# KiCad board AmigaPCI Mainboard.kicad_pcb (continued)
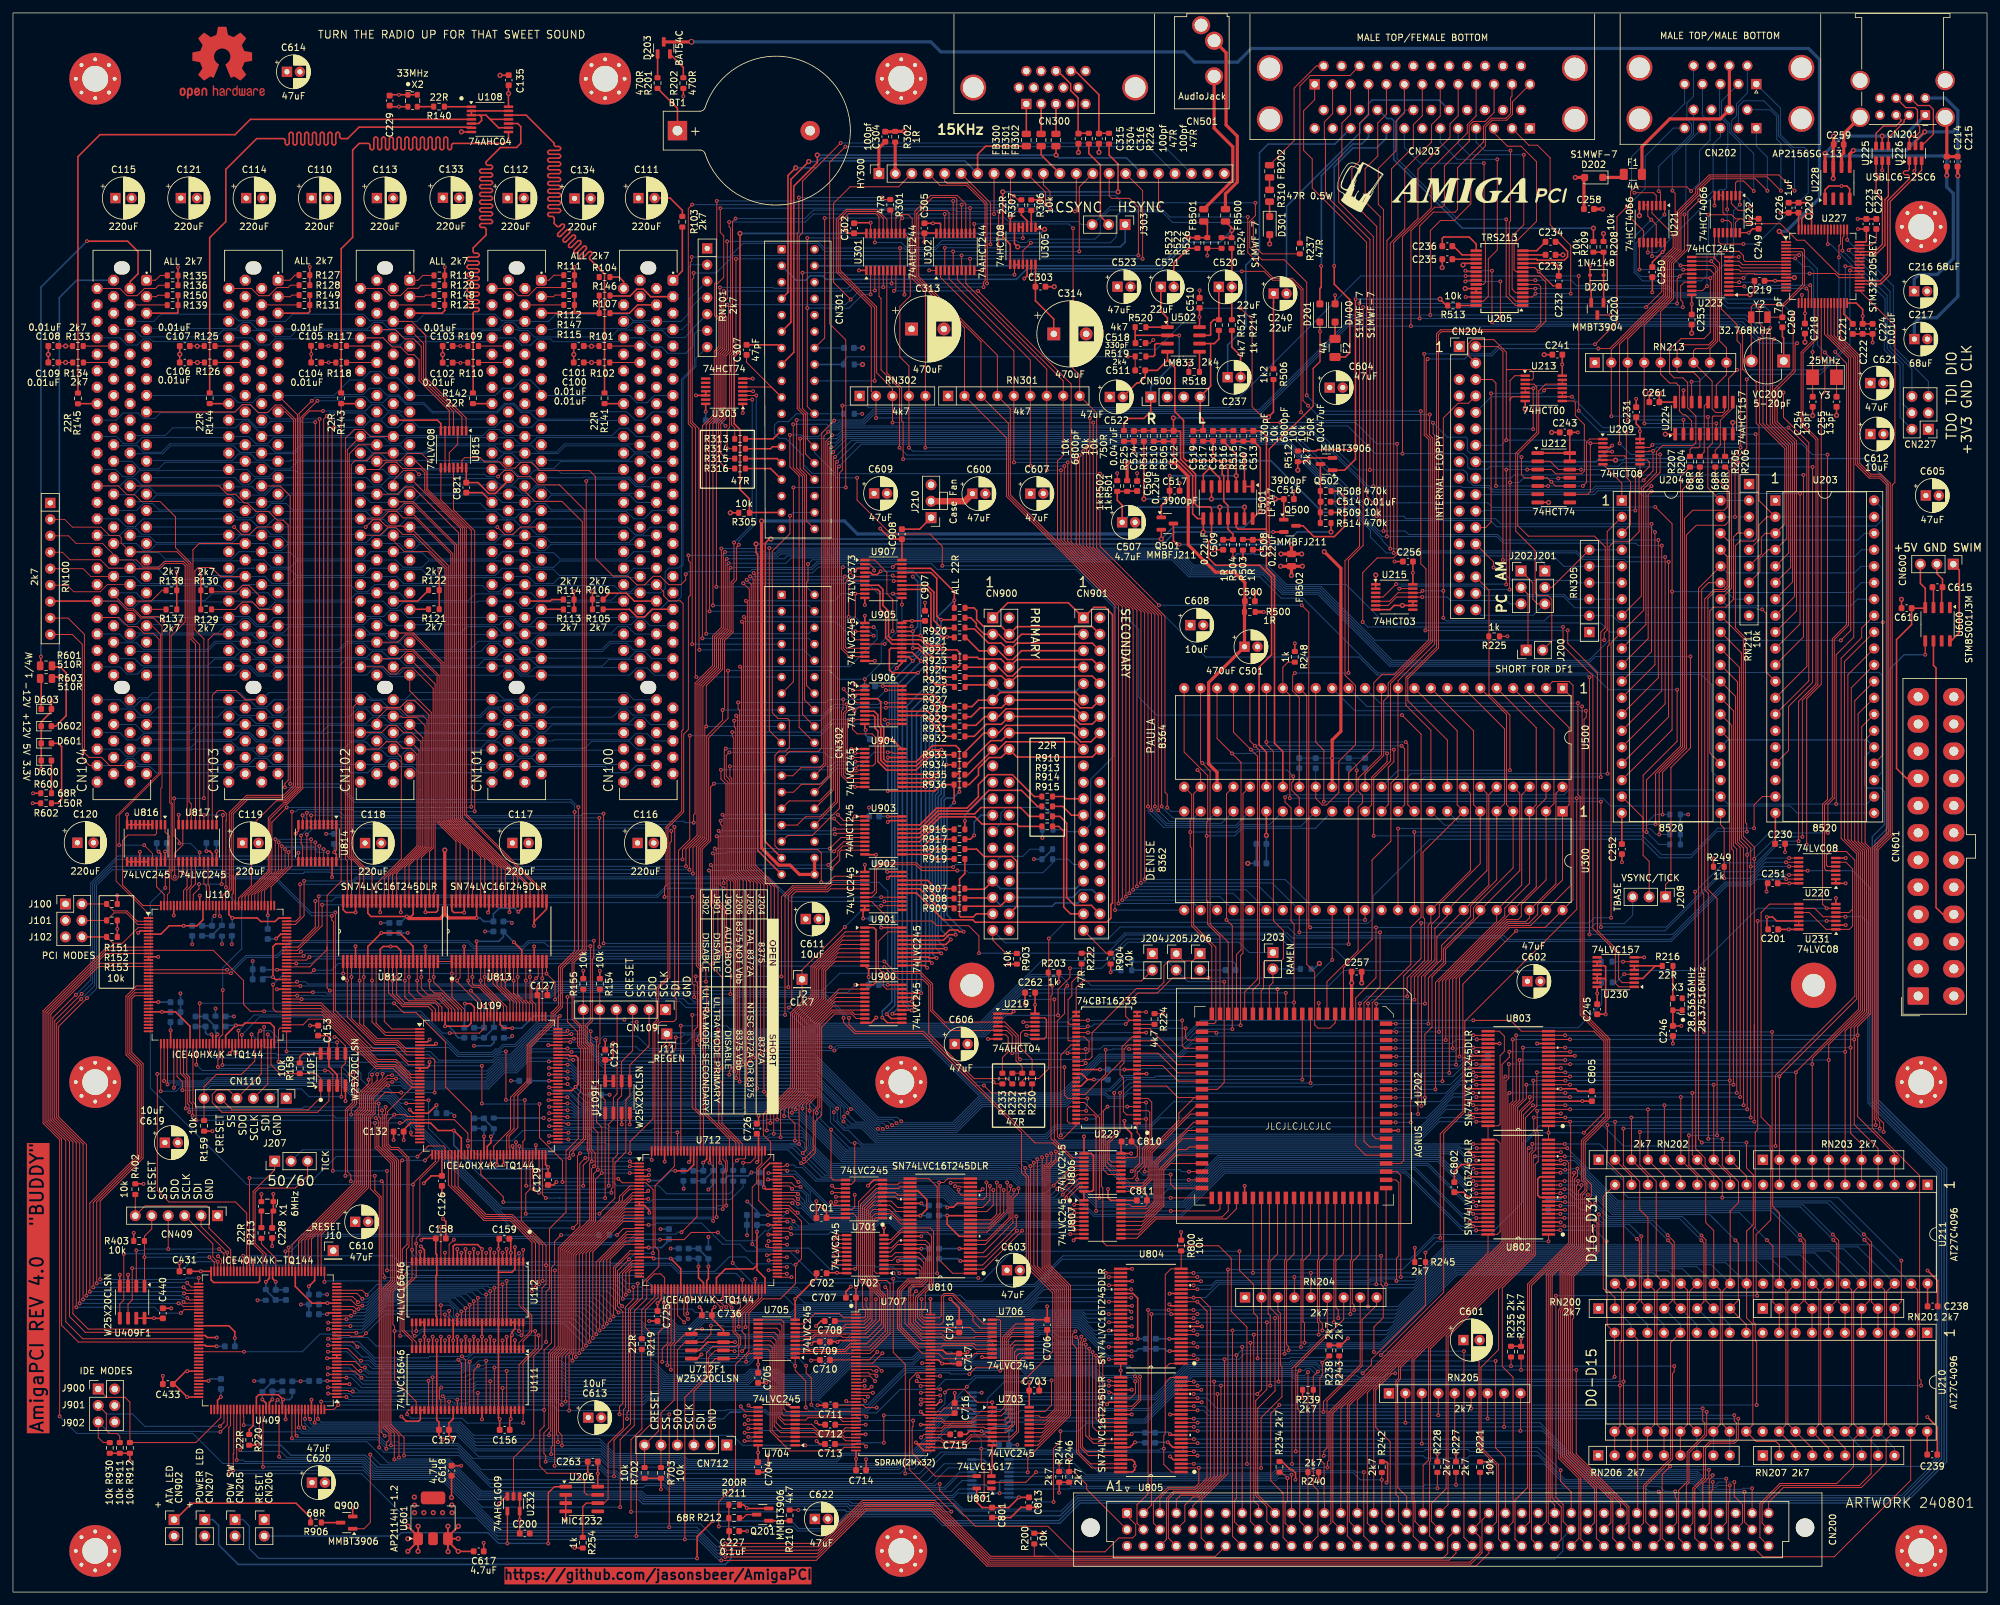
[diagram p0: board, top side]
## Routing (per net, layer and track width the routed paths; a pad name or vN(x,y) marks a point on that pad's centre or on a via; arc(x,y) is an arc through that point) (continued)
  Bottom w0.15: v1(225.94,64.73) 224.6,64.73 221.65,67.69 180.31,67.69 178.27,65.65 171.57,65.65 170.92,66.3 v1(157.62,66.3) 157.16,66.76 128.09,66.76 121.37,73.49 v1(119.08,73.49) 118.41,74.16 113.35,74.16 112.68,73.49 95.38,73.49 95.1,73.21 86.69,73.21 86.56,73.34 v1(85.63,73.34)
LVD11: length 229.5
  Top w0.15: U703.15 159.13,25.26 161.78,27.92 161.78,46.71 158.16,50.33 v1(158.16,66.84) ; 227.75,65.37 225.49,65.37 ; v1(120.28,74.01) 120.28,74.84 122.47,77.03 122.47,88.45 125.49,91.46 125.49,95.94 126.95,97.4 U901.9 ; U109.82 v1(82.79,73.94)
  Bottom w0.15: v1(82.79,73.94) 84.96,73.94 85.03,73.87 86.46,73.87 86.82,73.51 94.98,73.51 95.48,74.01 112.78,74.01 113.23,74.46 119.19,74.46 119.64,74.01 v1(120.28,74.01) 121.27,74.01 128.21,67.06 157.94,67.06 v1(158.16,66.84) 158.4,66.6 171.05,66.6 171.69,65.95 178.15,65.95 180.18,67.99 221.77,67.99 224.39,65.37 v1(225.49,65.37)
LVD12: length 222.1
  Top w0.15: v1(120.84,74.53) 120.84,74.97 122.77,76.9 122.77,88.32 127.56,93.11 U900.2 ; v1(85.63,74.39) 85.58,74.44 U109.83 ; v1(158.91,67.13) 158.91,50.01 162.08,46.84 162.08,27.79 158.9,24.62 156.91,24.62 ; 227.75,66.64 225.94,66.64
  Bottom w0.15: 158.67,67.37 159.13,66.9 171.17,66.9 171.82,66.25 178.02,66.25 180.06,68.29 222.98,68.29 224.63,66.64 v1(225.94,66.64) ; 158.67,67.37 128.34,67.37 121.17,74.53 v1(120.84,74.53) 120.62,74.76 112.81,74.76 112.59,74.53 95.58,74.53 94.85,73.81 86.94,73.81 86.36,74.39 v1(85.63,74.39) ; 158.67,67.37 v1(158.91,67.13)
LVD13: length 224.2
  Top w0.15: U900.4 127.11,91.81 123.37,88.07 123.37,76.65 121.91,75.19 v1(121.91,74.68) ; U703.13 158.68,23.96 162.38,27.67 162.38,46.96 159.21,50.13 159.21,65.86 159.63,66.28 v1(159.63,67.43) ; U109.84 v1(82.79,74.94) ; 227.75,67.27 225.48,67.27
  Bottom w0.15: v1(225.48,67.28) 224.41,67.28 223.11,68.59 179.93,68.59 177.9,66.56 171.94,66.56 171.29,67.2 159.85,67.2 v1(159.63,67.43) 159.39,67.66 128.46,67.66 121.91,74.22 v1(121.91,74.68) 121.53,75.06 95.68,75.06 94.73,74.11 87.07,74.11 86.26,74.91 82.81,74.91 v1(82.79,74.94)
LVD14: length 221.3
  Top w0.15: U703.12 158.45,23.31 162.68,27.54 162.68,47.09 159.51,50.26 159.51,65.74 160.31,66.54 v1(160.31,67.74) ; U900.6 126.66,90.51 123.97,87.82 123.97,76.41 123.01,75.44 v1(123.01,74.32) ; 227.75,68.55 226.01,68.55 ; U109.85 v1(85.62,75.44)
  Bottom w0.15: v1(85.62,75.44) 86.16,75.44 87.19,74.41 94.6,74.41 95.55,75.36 121.97,75.36 v1(123.01,74.32) 123.01,73.54 128.58,67.96 160.09,67.96 v1(160.31,67.74) 160.55,67.5 171.42,67.5 172.07,66.85 177.78,66.85 179.81,68.89 223.23,68.89 223.58,68.54 v1(226.01,68.54)
LVD15: length 221.9
  Top w0.15: U109.87 85.59,76.44 v1(85.61,76.41) ; v1(161.02,68.03) 161.02,66.83 159.81,65.61 159.81,50.38 162.98,47.21 162.98,27.42 158.22,22.66 U703.11 ; 227.75,69.18 225.46,69.18 ; v1(124.09,73.98) 124.09,74.42 124.57,74.9 124.57,87.58 126.56,89.56 129.62,89.56 129.97,89.21 U900.8
  Bottom w0.15: v1(85.61,76.41) 87.31,74.71 94.48,74.71 95.43,75.66 122.41,75.66 v1(124.09,73.98) 124.09,72.88 128.71,68.26 160.79,68.26 v1(161.02,68.03) 171.32,68.03 172.19,67.15 177.65,67.15 179.69,69.19 225.45,69.19 v1(225.46,69.18)
LVD16: length 286.4
  Top w0.15: v1(128.15,158.27) 127.91,158.03 127.91,145.63 129.1,144.44 U905.9 ; v1(117.06,76.19) 117.06,82.78 118.13,83.85 118.13,108.75 114.59,112.29 114.59,157.14 v1(114.37,157.37) ; v1(135.85,158.27) 136.3,158.72 U907.19 ; U803.47 225.93,72.63 v1(225.93,72.63) ; U701.11 126.68,63.62 126.3,64 v1(126.3,71.41) ; U109.88 v1(82.78,76.94)
  Bottom w0.15: v1(114.37,157.37) 123.43,157.37 124.34,158.27 v1(128.15,158.27) v1(135.85,158.27) ; v1(82.78,76.94) 85.87,76.94 87.8,75.01 94.35,75.01 95.52,76.19 122.63,76.19 124.73,74.08 124.73,72.98 v1(126.3,71.41) 129.15,68.56 178.64,68.56 179.56,69.49 217.07,69.49 220.21,72.63 225.93,72.63 v1(225.93,72.63)
LVD17: length 281
  Top w0.15: U109.90 v1(82.79,77.94) ; U905.7 128.74,145.74 128.51,145.97 128.51,155.83 v1(128.99,156.31) ; U803.46 225.46,73.27 v1(225.46,73.27) ; v1(129.97,69.33) 129.97,63.46 129.49,62.97 U701.12 ; v1(113.29,156.3) 113.99,155.6 113.99,112.04 117.03,109 117.03,83.31 116.51,82.79 v1(116.51,76.71) ; v1(135.99,156.12) U907.15
  Bottom w0.15: v1(113.29,156.3) 113.29,156.31 v1(128.99,156.31) 135.81,156.31 v1(135.99,156.12) ; v1(225.46,73.27) 220.43,73.27 216.95,69.79 179.44,69.79 178.51,68.87 131,68.87 130.53,69.33 v1(129.97,69.33) 129.39,69.33 126.21,72.52 126.21,74.86 124.36,76.71 v1(116.51,76.71) 95.62,76.71 94.25,75.34 87.9,75.34 86,77.24 83.49,77.24 v1(82.79,77.94)
LVD18: length 272.2
  Top w0.15: v1(113.17,153.06) 113.39,152.84 113.39,111.79 115.95,109.23 v1(115.95,77.25) ; U109.91 v1(85.62,78.44) ; U905.5 130.09,147.04 129.54,147.6 129.54,150.01 130.06,150.54 v1(130.06,154.17) 130.06,154.17 U907.9 ; v1(225.94,74.54) 225.94,74.54 U803.44 ; U701.13 126.88,62.32 v1(126.47,62.74)
  In2.Cu w0.15: v1(126.74,74.1) 126.74,72.95 127.88,71.81 127.88,63.1 127.87,63.1 127.48,62.71 126.5,62.71 v1(126.47,62.74)
  Bottom w0.15: v1(85.62,78.44) 88.42,75.64 94.13,75.64 95.74,77.25 v1(115.95,77.25) 124.24,77.25 126.74,74.76 v1(126.74,74.1) 126.74,72.92 128.36,71.3 128.99,71.3 131.13,69.16 178.39,69.16 179.31,70.09 216.83,70.09 221.28,74.54 v1(225.94,74.54) ; v1(113.17,153.06) 126.79,153.06 127.9,154.17 v1(130.06,154.17)
LVD19: length 272.7
  Top w0.15: U109.93 85.22,79.44 85.34,79.31 v1(85.64,79.31) ; U905.3 130.06,148.34 v1(130.06,148.34) ; U803.43 225.46,75.17 v1(225.45,75.18) ; U701.14 126.49,61.68 v1(126.47,61.69) ; U907.5 129.91,156.77 v1(129.2,157.48) ; v1(114.89,77.77) 114.89,109.44 112.79,111.54 112.79,149.61 v1(112.57,149.84)
  In2.Cu w0.15: v1(130.06,148.34) 130.06,150.29 129.51,150.83 129.51,157.16 v1(129.2,157.48) ; v1(127.26,74.65) 127.26,72.85 128.18,71.94 128.18,62.28 127.58,61.69 v1(126.47,61.69)
  Bottom w0.15: v1(130.06,148.34) 128.56,148.34 127.06,149.84 v1(112.57,149.84) ; v1(85.64,79.31) 86.42,79.31 87.96,77.77 v1(114.89,77.77) 124.14,77.77 v1(127.26,74.65) 127.26,72.82 128.43,71.66 130.95,71.66 133.14,69.46 178.26,69.46 179.19,70.39 216.71,70.39 221.49,75.18 v1(225.45,75.18)
LVD20: length 267.4
  Top w0.15: v1(111.67,135.33) 111.89,135.1 111.89,111.17 113.27,109.79 v1(113.27,78.3) ; v1(127.06,61.03) 127.06,61.02 U701.15 ; v1(128.7,137.07) 128.7,136.24 128.21,135.75 128.21,126.19 128.78,125.63 U904.8 ; v1(225.94,76.44) 225.94,76.44 U803.41 ; v1(134.78,137.3) 134.79,137.31 U906.16 ; U109.94 v1(82.77,79.94)
  In2.Cu w0.15: v1(127.06,61.03) 127.82,61.03 128.47,61.69 128.47,72.42 v1(128.22,72.67)
  Bottom w0.15: v1(82.77,79.94) 82.87,79.84 86.32,79.84 87.86,78.3 v1(113.27,78.3) 124.36,78.3 127.8,74.87 127.8,73.1 v1(128.22,72.67) 128.93,71.96 131.07,71.96 133.27,69.76 178.14,69.76 179.07,70.69 216.58,70.69 222.33,76.44 v1(225.94,76.44) ; v1(134.78,137.3) 133.83,137.3 133.6,137.07 126.73,137.07 124.99,135.33 v1(111.67,135.33)
LVD21: length 259.7
  Top w0.15: v1(129.06,134.71) 128.81,134.46 128.81,126.91 129.06,126.66 130.31,126.66 130.58,126.93 U904.6 ; v1(225.44,77.08) 225.44,77.08 U803.40 ; v1(127.06,60.27) 127.16,60.38 U701.16 ; U109.95 85.21,80.44 85.28,80.36 v1(85.65,80.36) ; v1(134.62,134.71) U906.12 ; v1(111.07,132.79) 111.07,132.13 111.29,131.91 111.29,110.92 112.2,110.01 v1(112.2,78.83)
  In2.Cu w0.15: v1(127.06,60.27) 127.48,60.27 128.78,61.56 128.78,72.96 v1(128.32,73.41)
  Bottom w0.15: v1(85.65,80.36) 86.22,80.36 87.76,78.83 v1(112.2,78.83) 124.26,78.83 128.32,74.76 v1(128.32,73.41) 129.47,72.26 131.21,72.26 133.41,70.06 159.69,70.06 161.17,71.55 181.88,71.55 182.18,71.84 217.31,71.84 222.47,77.01 225.37,77.01 v1(225.44,77.08) ; v1(134.62,134.71) v1(129.06,134.71) 126.56,134.71 124.64,132.79 v1(111.07,132.79)
LVD22: length 254.3
  Top w0.15: U803.38 225.94,78.35 v1(225.94,78.35) ; U906.6 130.55,136.66 v1(129.91,136.02) ; v1(111.66,79.36) 111.66,79.89 111.9,80.13 111.9,109.89 110.99,110.8 110.99,125.6 110.69,125.9 v1(110.69,127.49) ; 127.59,59.72 126.79,59.72 ; 127.59,59.72 126.96,59.72 ; 127.59,59.72 U701.17 ; 126.79,59.72 126.96,59.72 ; 126.79,59.72 v1(126.3,60.21) ; 126.96,59.72 126.77,59.72 ; v1(130.08,128.23) 130.08,128.23 U904.4 ; U109.96 v1(82.76,80.94)
  In2.Cu w0.15: v1(126.3,60.21) 126.78,59.73 127.37,59.73 129.07,61.44 129.07,73.78 v1(128.85,74.01) ; v1(129.91,136.02) 130.56,135.37 130.56,128.71 v1(130.08,128.23)
  Bottom w0.15: v1(225.94,78.35) 223.39,78.35 218.25,73.22 177.12,73.22 175.75,71.85 161.05,71.85 159.56,70.37 133.53,70.37 131.33,72.56 130.13,72.56 128.85,73.84 v1(128.85,74.01) 128.85,74.66 124.15,79.36 v1(111.66,79.36) 87.65,79.36 86.12,80.89 82.81,80.89 v1(82.76,80.94) ; v1(130.08,128.23) 127,128.23 126.27,127.5 110.7,127.5 v1(110.69,127.49)
LVD23: length 255.5
  Top w0.15: U109.97 85.62,81.44 v1(85.65,81.41) ; v1(110.06,130.25) 109.83,130.02 109.83,125.63 110.39,125.07 110.39,110.55 111.3,109.64 111.3,81.17 110.61,80.48 v1(110.61,79.88) ; v1(129.7,139.26) U906.2 ; U701.18 129.57,59.07 129.97,59.47 v1(129.97,61.34) ; v1(225.45,78.98) 225.46,78.98 U803.37 ; U904.2 130.04,129.53 v1(130.04,129.53)
  In2.Cu w0.15: v1(129.38,74.59) 129.38,74.58 129.38,61.94 v1(129.97,61.34) ; v1(129.7,139.26) 128.88,139.26 127.68,138.06 127.68,137.14 130.04,134.78 v1(130.04,129.53)
  Bottom w0.15: v1(130.04,129.53) 127.42,129.53 126.7,130.25 v1(110.06,130.25) ; v1(225.45,78.98) 223.59,78.98 220.33,75.72 179.2,75.72 175.63,72.15 160.92,72.15 159.44,70.66 133.65,70.66 129.73,74.59 v1(129.38,74.59) 124.11,79.85 124.11,79.88 v1(110.61,79.88) 87.55,79.88 86.02,81.41 v1(85.65,81.41)
LVD24: length 323
  Top w0.15: v1(111.38,80.41) 111.38,80.81 111.6,81.04 111.6,109.76 110.69,110.67 110.69,125.41 110.13,125.97 110.13,129.19 v1(110.61,129.67) ; U109.98 v1(82.75,81.94) ; v1(225.92,79.62) 225.92,79.62 U803.36 ; U409.38 47.59,55.15 54.89,62.45 54.89,73.31 55.63,74.06 55.63,76.28 57.59,78.23 v1(57.91,78.23) ; v1(128.27,139.45) 128.27,139.34 130.3,137.31 U906.5 ; U904.3 129.64,128.88 v1(129.63,128.88) ; 128.75,55.1 127.26,55.1
  In2.Cu w0.15: v1(129.63,128.88) 127.38,131.14 127.38,138.55 v1(128.27,139.45) ; v1(127.26,55.1) 130.5,58.33 130.5,68.49 v1(133.54,71.53)
  Bottom w0.15: v1(110.61,129.67) 125.28,129.67 126.07,128.88 v1(129.63,128.88) ; v1(225.92,79.62) 223.81,79.62 221.21,77.02 172.13,77.02 171.37,76.25 169.14,76.25 168.61,76.79 164.45,76.79 162.63,74.97 149.68,74.97 145.68,70.96 134.1,70.96 v1(133.54,71.53) 133.22,71.53 124.32,80.42 124.31,80.41 v1(111.38,80.41) 109.72,80.41 109.72,80.41 93.86,80.41 93.85,80.41 87.45,80.41 85.92,81.94 v1(82.75,81.94) 79.54,81.94 77.78,80.18 75.91,80.18 73.42,77.69 60.44,77.69 59.9,78.23 v1(57.91,78.23)
LVD25: length 323.4
  Top w0.15: v1(58.54,78.76) 57.69,78.76 55.34,76.41 55.34,74.18 54.59,73.44 54.59,62.57 47.09,55.07 U409.39 ; v1(109.5,80.93) 109.5,94.94 106.41,98.02 106.41,114.7 107.72,116.01 107.72,124.3 v1(108.25,124.83) ; v1(130.09,127.18) 130.49,127.58 U904.5 132.78,127.58 133.15,127.95 133.15,132.04 132.67,132.52 130.35,132.52 129.64,133.23 129.64,134.25 130.1,134.71 U906.9 ; 128.75,54.45 126.69,54.45 ; U109.99 85.53,82.44 85.81,82.16 v1(86.51,82.16) ; U803.35 225.47,80.25 v1(225.47,80.25)
  In2.Cu w0.15: v1(126.68,54.46) 127.36,54.46 130.8,57.89 130.8,68.36 131.52,69.09 131.87,69.09 v1(134.29,71.51)
  Bottom w0.15: v1(58.54,78.76) 59.79,78.76 60.56,77.99 73.3,77.99 75.79,80.48 77.65,80.48 79.64,82.46 86.21,82.46 v1(86.51,82.16) 89.91,82.16 91.14,80.94 94.24,80.94 94.24,80.93 v1(109.5,80.93) 109.5,80.94 124.23,80.94 133.07,72.1 133.71,72.1 v1(134.29,71.51) 134.54,71.26 145.55,71.26 149.56,75.27 162.51,75.27 164.33,77.09 168.73,77.09 169.26,76.55 171.25,76.55 172.7,78.01 200.5,78.01 200.85,78.35 221.94,78.35 223.83,80.25 v1(225.47,80.25) ; v1(108.25,124.83) 108.25,124.83 124.86,124.83 127.21,127.18 v1(130.09,127.18)
LVD26: length 338
  Top w0.15: U803.33 225.94,81.52 v1(225.94,81.52) ; U904.7 128.73,126.28 128.51,126.5 128.51,135.63 129.3,136.42 v1(129.3,136.54) ; 128.75,53.81 127.28,53.81 ; v1(111.37,134.57) 111.37,133.6 111.59,133.38 111.59,111.05 112.73,109.91 v1(112.73,81.46) ; v1(59.15,79.28) 57.79,79.28 55.03,76.53 55.03,74.31 54.29,73.56 54.29,62.7 46.09,54.5 U409.41 ; v1(134.78,136.55) 134.89,136.66 U906.15 ; 84.17,83.41 v1(86.24,83.41)
  In2.Cu w0.15: v1(127.27,53.81) 131.1,57.63 131.1,67.08 134.99,70.97 v1(134.99,71.79)
  Bottom w0.15: 176.93,79.67 180.18,79.67 ; v1(225.94,81.52) 224.21,81.52 222.34,79.64 200.9,79.64 200.88,79.67 180.18,79.67 ; v1(59.15,79.28) 59.69,79.28 60.68,78.29 73.18,78.29 75.66,80.78 77.53,80.78 80.16,83.41 v1(86.24,83.41) 89.09,83.41 91.04,81.46 v1(112.73,81.46) 112.74,81.45 124.14,81.45 133.19,72.4 134.38,72.4 v1(134.99,71.79) 135.22,71.56 145.43,71.56 149.43,75.57 162.38,75.57 164.2,77.39 169.44,77.39 171.51,79.46 176.25,79.46 176.45,79.67 180.18,79.67 ; v1(134.78,136.55) 126.63,136.55 124.65,134.57 v1(111.37,134.57)
LVD27: length 342.3
  Top w0.15: v1(58.53,79.81) 57.89,79.81 54.74,76.65 54.74,74.43 53.99,73.69 53.99,62.82 45.59,54.42 U409.42 ; 113.82,109.67 113.62,109.86 ; 113.81,109.67 v1(113.81,81.98) ; 113.81,109.67 113.62,109.86 ; 113.62,109.86 112.19,111.3 112.19,136.15 111.97,136.37 v1(111.97,137.37) ; U803.32 225.63,82.16 225.56,82.09 v1(224.99,82.09) ; U906.19 v1(134.78,139.26) ; v1(128.2,137.84) 128.18,137.81 128.18,136.34 127.91,136.08 127.91,126.07 129,124.98 U904.9 ; 128.75,53.15 126.69,53.15 ; U109.102 v1(85.63,83.94)
  In2.Cu w0.15: v1(126.68,53.17) 127.37,53.17 131.39,57.19 131.39,66.96 135.71,71.27 v1(135.71,72.09)
  Bottom w0.15: v1(58.53,79.81) 59.59,79.81 60.81,78.59 73.05,78.59 75.54,81.08 77.4,81.08 80.2,83.88 85.56,83.88 v1(85.63,83.94) 88.99,83.94 90.94,81.98 113.81,81.98 v1(113.81,81.98) 124.04,81.98 133.32,72.7 135.1,72.7 v1(135.71,72.09) 135.94,71.87 145.3,71.87 149.31,75.87 162.26,75.87 164.08,77.69 169.31,77.69 171.39,79.76 173.1,79.76 174.18,80.85 222.99,80.85 224.23,82.09 v1(224.99,82.09) ; v1(111.97,137.37) 125.55,137.37 126.02,137.84 v1(128.2,137.84) 133.36,137.84 v1(134.78,139.26)
LVD28: length 347
  Top w0.15: U803.30 225.94,83.43 v1(225.94,83.43) ; v1(57.06,80.05) 57.06,79.41 54.44,76.78 54.44,74.56 53.69,73.81 53.69,62.94 45.09,54.34 U409.43 ; v1(132.97,157.75) 132.97,158.02 132.27,158.72 U907.2 ; v1(112.27,142.9) 112.49,142.68 112.49,111.42 114.34,109.57 v1(114.34,82.55) ; U905.2 132.89,148.99 v1(132.89,148.99) ; 128.75,52.5 127.28,52.5 ; v1(86.05,84.91) 86.03,84.94 U109.104
  In2.Cu w0.15: v1(132.89,148.99) 132.12,148.99 130.88,150.22 130.88,155.66 v1(132.97,157.75) ; 127.14,52.51 131.69,57.07 131.69,61.29 132.66,62.25 132.66,67.79 136.42,71.56 v1(136.42,72.39)
  Bottom w0.15: v1(112.27,142.9) 129.18,142.9 133.42,147.13 133.42,148.46 v1(132.89,148.99) ; v1(57.06,80.05) 57.35,80.33 59.49,80.33 60.93,78.89 72.93,78.89 75.41,81.38 77.28,81.38 80.92,85.02 85.94,85.02 v1(86.05,84.91) 88.44,84.91 90.8,82.55 v1(114.34,82.55) 123.89,82.55 133.44,73 135.81,73 v1(136.42,72.39) 136.64,72.16 145.18,72.16 149.18,76.17 162.14,76.17 167.98,82.01 223.49,82.01 224.91,83.43 v1(225.94,83.43)
  vias: v1(127.27,52.51)
LVD29: length 349
  Top w0.15: U907.6 129.86,156.12 129.04,155.29 v1(129.04,150.57) ; U409.44 44.59,54.27 53.39,63.07 53.39,73.94 54.13,74.68 54.13,76.9 56.23,79 v1(56.23,79.96) ; U803.29 225.49,84.06 v1(225.48,84.07) ; v1(86.59,85.45) 86.58,85.44 U109.105 ; U905.4 132.88,147.69 v1(132.89,147.68) ; v1(112.87,150.57) 113.09,150.35 113.09,111.67 115.42,109.34 v1(115.42,83.1) ; 128.75,51.85 126.69,51.85
  In2.Cu w0.15: v1(137.15,72.69) 137.15,71.87 132.96,67.67 132.96,62.22 133,62.18 133,59.59 132,58.59 132,56.49 127.36,51.86 v1(126.68,51.86)
  Bottom w0.15: v1(132.89,147.68) 130,150.57 v1(112.87,150.57) ; v1(225.48,84.07) 223.17,84.07 222.54,83.44 181.2,83.44 180.2,82.44 167.98,82.44 162.01,76.47 149.06,76.47 145.05,72.46 137.38,72.46 v1(137.15,72.69) 136.55,73.3 133.57,73.3 123.76,83.1 115.43,83.1 v1(115.42,83.1) 90.67,83.1 88.32,85.45 v1(86.59,85.45) 80.93,85.45 77.16,81.68 75.29,81.68 73.03,79.42 60.83,79.42 59.62,80.63 56.91,80.63 v1(56.23,79.96)
LVD30: length 366.9
  Top w0.15: 128.75,51.2 127.26,51.2 ; v1(135.87,154.17) 135.87,154.17 U907.12 ; U109.106 85.66,85.94 85.88,86.16 v1(86.23,86.16) ; v1(134.59,146.41) 134.57,146.39 U905.6 ; U409.45 44.09,54.19 53.09,63.19 53.09,74.06 53.84,74.8 53.84,77.03 55.44,78.63 v1(55.44,79.9) ; v1(112.75,155.78) 112.77,155.78 113.69,154.86 113.69,111.92 116.49,109.12 v1(116.49,83.63) ; U803.27 226.01,85.33 v1(226.01,85.33)
  In2.Cu w0.15: v1(127.26,51.21) 126.59,51.21 125.78,52.02 125.78,71.89 126.06,72.18 126.06,74.39 126.81,75.13 v1(126.81,83.62)
  Bottom w0.15: v1(134.59,146.41) 136.45,148.27 136.45,153.59 v1(135.87,154.17) 133.6,154.17 131.99,155.78 v1(112.75,155.78) ; v1(226.01,85.33) 222.83,85.33 222.21,84.7 182.04,84.7 180.07,82.74 167.86,82.74 161.89,76.77 149.01,76.77 141.7,84.08 127.46,84.08 127,83.62 v1(126.81,83.62) 116.5,83.62 v1(116.49,83.63) 96.78,83.63 96.21,84.2 89.99,84.2 88.04,86.16 v1(86.23,86.16) 81.21,86.16 77.03,81.98 75.16,81.98 73.13,79.94 60.73,79.94 59.74,80.94 56.47,80.94 v1(55.44,79.9)
LVD31: length 371.1
  Top w0.15: v1(225.46,85.97) 225.46,85.97 U803.26 ; v1(85.63,86.69) 85.38,86.44 U109.107 ; v1(135.84,156.95) 136.02,156.77 U907.16 ; 128.75,50.56 126.69,50.56 ; v1(117.56,84.15) 117.56,108.9 114.29,112.17 114.29,156.47 113.93,156.83 v1(113.82,156.83) ; U905.8 128.87,145.09 128.21,145.75 128.21,156.6 v1(128.44,156.83) ; U409.47 43.09,53.62 52.79,63.32 52.79,74.18 53.53,74.93 53.53,77.15 54.91,78.53 v1(54.91,79.13)
  In2.Cu w0.15: v1(126.25,84.15) 126.25,75 125.76,74.51 125.76,72.3 125.48,72.01 125.48,51.76 v1(126.69,50.55)
  Bottom w0.15: v1(113.82,156.83) v1(128.44,156.83) 131.12,156.83 131.24,156.95 v1(135.84,156.95) ; v1(54.91,79.13) 54.91,80.12 56.03,81.23 59.86,81.23 60.63,80.47 73.23,80.47 75.04,82.28 76.91,82.28 81.31,86.69 v1(85.63,86.69) 87.94,86.69 89.66,84.96 90.34,84.96 91.2,85.83 96.43,85.83 98.33,83.93 111.84,83.93 112.07,84.16 117.56,84.16 v1(117.56,84.15) v1(126.25,84.15) 126.98,84.15 127.21,84.38 141.83,84.38 149.14,77.07 161.76,77.07 167.73,83.04 179.95,83.04 182.74,85.82 185.96,85.82 185.99,85.85 224.36,85.85 224.47,85.97 v1(225.46,85.97)
LVDRA0-G: length 52.9
  Top w0.15: v1(121.59,62.58) 120.83,62.58 120.21,63.2 U712.102 ; U806.7 164.52,63.82 v1(162.08,61.38)
  Bottom w0.15: v1(162.08,61.38) 161.35,60.65 145.18,60.65 144.02,61.81 134.4,61.81 131.21,58.62 124.52,58.62 122.8,60.35 122.8,61.37 v1(121.59,62.58)
LVDRA1-0: length 52.9
  Top w0.15: U712.101 119.85,62.7 v1(120.29,62.26) ; U806.8 164.62,63.18 162.62,61.18 v1(162.62,60.86)
  Bottom w0.15: v1(120.29,62.26) 120.56,61.99 121.75,61.99 122.5,61.24 122.5,60.23 124.4,58.32 131.34,58.32 134.53,61.51 143.89,61.51 145.05,60.35 162.12,60.35 v1(162.62,60.86)
LVDRA2-1: length 52.3
  Top w0.15: v1(163.15,60.28) 163.15,61.05 164.62,62.52 165.36,62.52 ; v1(121.21,61.46) 120.97,61.7 U712.99
  Bottom w0.15: v1(163.15,60.28) 162.93,60.06 144.93,60.06 143.77,61.21 134.65,61.21 131.46,58.02 124.27,58.02 122.2,60.1 122.2,60.47 v1(121.21,61.46)
LVDRA3-2: length 50.6
  Top w0.15: U807.2 163.88,59.83 v1(163.88,59.83) ; v1(121.23,60.7) 120.73,61.2 U712.98
  Bottom w0.15: v1(163.88,59.83) 163.81,59.75 144.8,59.75 143.64,60.91 134.78,60.91 131.59,57.72 124.15,57.72 121.81,60.07 121.81,60.12 v1(121.23,60.7)
LVDRA4-3: length 50.7
  Top w0.15: U807.3 163.26,59.19 v1(163.26,59.18) ; v1(121.21,59.95) 120.45,60.7 U712.97
  Bottom w0.15: v1(121.21,59.95) 121.5,59.95 124.02,57.43 131.71,57.43 133.07,58.78 136.07,58.78 137.53,57.31 151.73,57.31 153.71,59.29 163.15,59.29 v1(163.26,59.18)
LVDRA5-4: length 50.6
  Top w0.15: v1(163.88,58.54) 163.88,58.53 U807.4 ; U712.96 120.21,60.2 v1(120.35,60.06)
  Bottom w0.15: v1(163.88,58.54) 162.69,58.54 162.4,58.83 153.94,58.83 152.12,57.01 137.41,57.01 135.94,58.48 133.19,58.48 131.84,57.12 123.9,57.12 121.73,59.3 121.11,59.3 v1(120.35,60.06)
LVDRA6-5: length 50.2
  Top w0.15: v1(163.26,57.89) 163.26,57.88 U807.5 ; v1(121.16,58.58) 120.92,58.82 120.68,58.82 119.79,59.7 U712.95
  Bottom w0.15: v1(163.26,57.89) 162.64,57.89 161.98,57.23 154.19,57.23 153.68,56.71 137.28,56.71 135.82,58.18 133.31,58.18 131.96,56.82 122.92,56.82 v1(121.16,58.58)
LVDRA7-6: length 49.3
  Top w0.15: 118.06,57.72 120.03,57.72 v1(120.52,57.24) ; v1(163.87,57.24) 163.88,57.24 U807.6
  Bottom w0.15: v1(120.52,57.24) 121.23,56.52 132.08,56.52 133.44,57.88 135.69,57.88 137.16,56.41 153.8,56.41 154.31,56.93 162.44,56.93 162.75,57.24 v1(163.87,57.24)
LVDRA8-7: length 49.1
  Top w0.15: v1(163.25,56.58) 163.25,56.58 U807.7 ; U712.90 v1(119.55,57.2)
  Bottom w0.15: v1(119.55,57.2) 119.81,57.2 120.79,56.22 132.21,56.22 133.56,57.58 135.57,57.58 137.03,56.12 154.01,56.12 154.53,56.63 163.2,56.63 v1(163.25,56.58)
LVDRA9-8: length 53.2
  Top w0.15: v1(119.55,65.05) 119.4,65.2 U712.106 ; v1(160.68,62.77) 163.68,65.77 U806.4
  Bottom w0.15: v1(119.55,65.05) 120.7,65.05 126.23,59.52 130.84,59.52 134.03,62.71 144.39,62.71 145.55,61.56 159.46,61.56 v1(160.68,62.77)
LVOVL: length 124.3
  Top w0.15: v1(25.92,43.08) 26.45,43.61 U409.81 ; U814.11 44.07,114.16 v1(44.07,114.17) ; v1(9.78,43.98) 9.78,43.99 9.78,69.38 6.15,73.01 6.15,88.67 v1(9.72,92.23)
  Bottom w0.15: v1(25.92,43.08) 25.91,43.07 22.81,43.07 21.9,43.98 v1(9.78,43.98) ; v1(9.72,92.23) 12,94.52 12,109.47 16.18,113.66 43.56,113.66 v1(44.07,114.17)
LVPARITY: length 21.2
  Top w0.15: U816.3 22.18,117.13 21.95,116.9 17.75,116.9 16.93,116.07 16.93,109.17 20.1,106 U110.144
LVSIZ0: length 230
  Top w0.15: v1(83.63,19.5) 83.62,19.5 83.62,20.28 ; U712.2 95.28,65.7 v1(95.23,65.75) ; 83.62,20.28 83.62,19.78 ; 83.62,20.28 83.62,36.55 84.79,37.71 84.79,52.88 89.34,57.44 89.34,65.38 v1(89.71,65.75) 89.89,65.93 89.89,67.77 89.28,68.37 89.28,84.33 88.66,84.96 88.66,87.38 89.46,88.18 89.46,97.73 89.69,97.95 89.69,100.57 v1(89.69,100.58) ; U110.17 v1(33.07,96.09)
  Bottom w0.15: U809.8 144.4,19.16 142,16.76 101.91,16.76 100.74,17.94 93.52,17.94 93.07,18.39 91.62,18.39 90.52,19.5 v1(83.63,19.5) ; v1(33.07,96.09) 33.77,96.09 35.98,98.3 40.7,98.3 42.98,100.58 70.34,100.58 71.21,99.71 78.72,99.71 79.57,100.57 89.68,100.57 v1(89.69,100.58) ; v1(95.23,65.75) v1(89.71,65.75)
LVSIZ1: length 229.1
  Top w0.15: U712.1 95.56,66.2 v1(95.24,66.51) ; v1(89.16,99.73) 89.16,88.3 88.36,87.5 88.36,84.83 88.99,84.21 88.99,68.25 89.37,67.87 v1(89.37,66.51) 89.04,66.19 89.04,57.56 84.49,53.01 84.49,37.84 83.32,36.67 83.32,22.59 83.1,22.37 v1(83.1,21.28) ; v1(33.66,95.56) 33.66,95.56 20.95,95.56
  Bottom w0.15: v1(83.1,21.28) 90.84,21.28 92.24,19.89 102.65,19.89 103.61,18.93 136.78,18.93 137.47,19.62 138.89,19.62 144.87,25.6 U808.2 ; v1(89.16,99.73) 82.61,99.73 82.07,100.27 79.7,100.27 78.84,99.41 71.09,99.41 70.22,100.28 43.1,100.28 40.82,98 36.1,98 v1(33.66,95.56) ; v1(89.37,66.51) 89.37,66.51 v1(95.24,66.51)
LVTM0: length 112.2
  Top w0.15: U409.136 44.09,25.4
  Bottom w0.15: U808.3 145.1,26.25 138.77,19.92 137.35,19.92 136.66,19.23 103.73,19.23 102.77,20.19 92.36,20.19 90.74,21.81 71.42,21.81 68.49,24.74 44.78,24.74 v1(44.12,25.4)
LVTM1: length 112.7
  Top w0.15: v1(44.97,25.38) 44.56,25.78 44.56,28.17
  Bottom w0.15: U808.6 145.47,28.2 141.9,24.63 141.9,23.48 138.64,20.22 137.22,20.22 136.53,19.53 103.86,19.53 102.9,20.49 92.49,20.49 90.87,22.11 71.54,22.11 68.62,25.03 45.31,25.03 v1(44.97,25.38)
LVTM2: length 110.6
  Top w0.15: 46.56,28.17 46.56,26.16 v1(46.57,26.16)
  Bottom w0.15: v1(46.57,26.16) 46.79,25.94 68.99,25.94 71.24,23.69 90.56,23.69 92.86,21.39 103.27,21.39 104.23,20.43 127.09,20.43 128.08,21.43 138.57,21.43 141,23.85 141,25 146.15,30.15 U808.9
LVTT0: length 245
  Top w0.15: v1(90.09,85.49) 90.09,72.6 90.91,71.79 v1(90.91,64.7) 89.94,63.74 89.94,57.19 85.39,52.64 85.39,37.46 84.22,36.3 84.22,24.75 84.76,24.21 84.76,22.64 v1(84.77,22.63) ; U409.138 v1(45.09,26.73) ; U712.4 v1(95.24,64.7) ; U110.60 v1(34.34,83.16)
  Bottom w0.15: 89.46,85.59 87.84,87.21 81.41,87.21 76.78,82.58 74.92,82.58 74.15,81.81 65.37,81.81 64.23,82.95 40.82,82.95 40.61,83.16 v1(34.34,83.16) ; 89.46,85.59 89.56,85.49 ; 89.46,85.59 89.56,85.49 ; 89.56,85.49 v1(90.09,85.49) ; v1(90.91,64.7) v1(95.24,64.7) ; U808.7 145.7,28.85 141.6,24.75 141.6,23.6 138.52,20.52 137.1,20.52 136.41,19.83 103.98,19.83 103.02,20.79 92.61,20.79 90.77,22.63 v1(84.77,22.63) 71.44,22.63 68.74,25.33 45.76,25.33 45.09,26.01 v1(45.09,26.73)
LVTT1: length 240.7
  Top w0.15: U110.73 42.25,83.48 v1(42.25,83.48) ; v1(45.88,26.69) 45.59,26.98 U409.139 ; v1(89.21,86.58) 89.21,84.84 89.59,84.46 89.59,71.68 90.31,70.95 v1(90.31,65.22) 89.65,64.56 89.65,57.31 85.09,52.76 85.09,37.59 83.93,36.42 83.93,24.36 84.15,24.13 v1(84.15,23.16) ; U712.3 v1(98.21,65.2)
  Bottom w0.15: v1(98.21,65.2) 98.19,65.22 v1(90.31,65.22) ; v1(45.88,26.69) 45.88,26.11 46.35,25.63 68.87,25.63 71.34,23.16 v1(84.15,23.16) 90.67,23.16 92.74,21.09 103.15,21.09 104.11,20.13 127.21,20.13 128.21,21.12 138.7,21.12 141.3,23.73 141.3,24.88 145.92,29.5 U808.8 ; v1(42.25,83.48) 64.41,83.48 65.78,82.11 74.02,82.11 74.87,82.95 76.73,82.95 81.29,87.51 88.28,87.51 v1(89.21,86.58)
LVUPA0: length 188.3
  Top w0.15: v1(26.16,77.49) 26.16,78.79 25.34,79.61 U110.42 ; v1(56.46,75.43) 56.46,75.43 56.46,73.51 56.72,73.24 56.72,71.88 56.5,71.65 56.5,68.87 58.92,66.44 58.92,47.89 57.75,46.72 57.75,25.63 58.88,24.5 58.88,20.48 v1(58.88,20.47)
  Bottom w0.15: U809.2 145.87,15.26 145.2,14.6 97.66,14.6 96.99,15.26 72.21,15.26 67.23,20.25 59.36,20.25 59.13,20.47 v1(58.88,20.47) ; v1(26.16,77.49) 29.81,77.49 30.52,78.21 50.63,78.21 53.41,75.43 v1(56.46,75.43)
